# Altium PCB FPGA_Board.PcbDoc (part 3 of 3)
Units mil, origin at the board's own origin, x right, y up, seen from the top; angles counter-clockwise.
Board outline 13780 x 3880 mil, 8 copper layers (L0, L1, L2, 3,3V, GND, L3, L4, L5), stack 40.468 mil thick; 246 components, 198 nets, 1060 pads, 536 vias.
Unrouted connection lines stored in the file: 133.
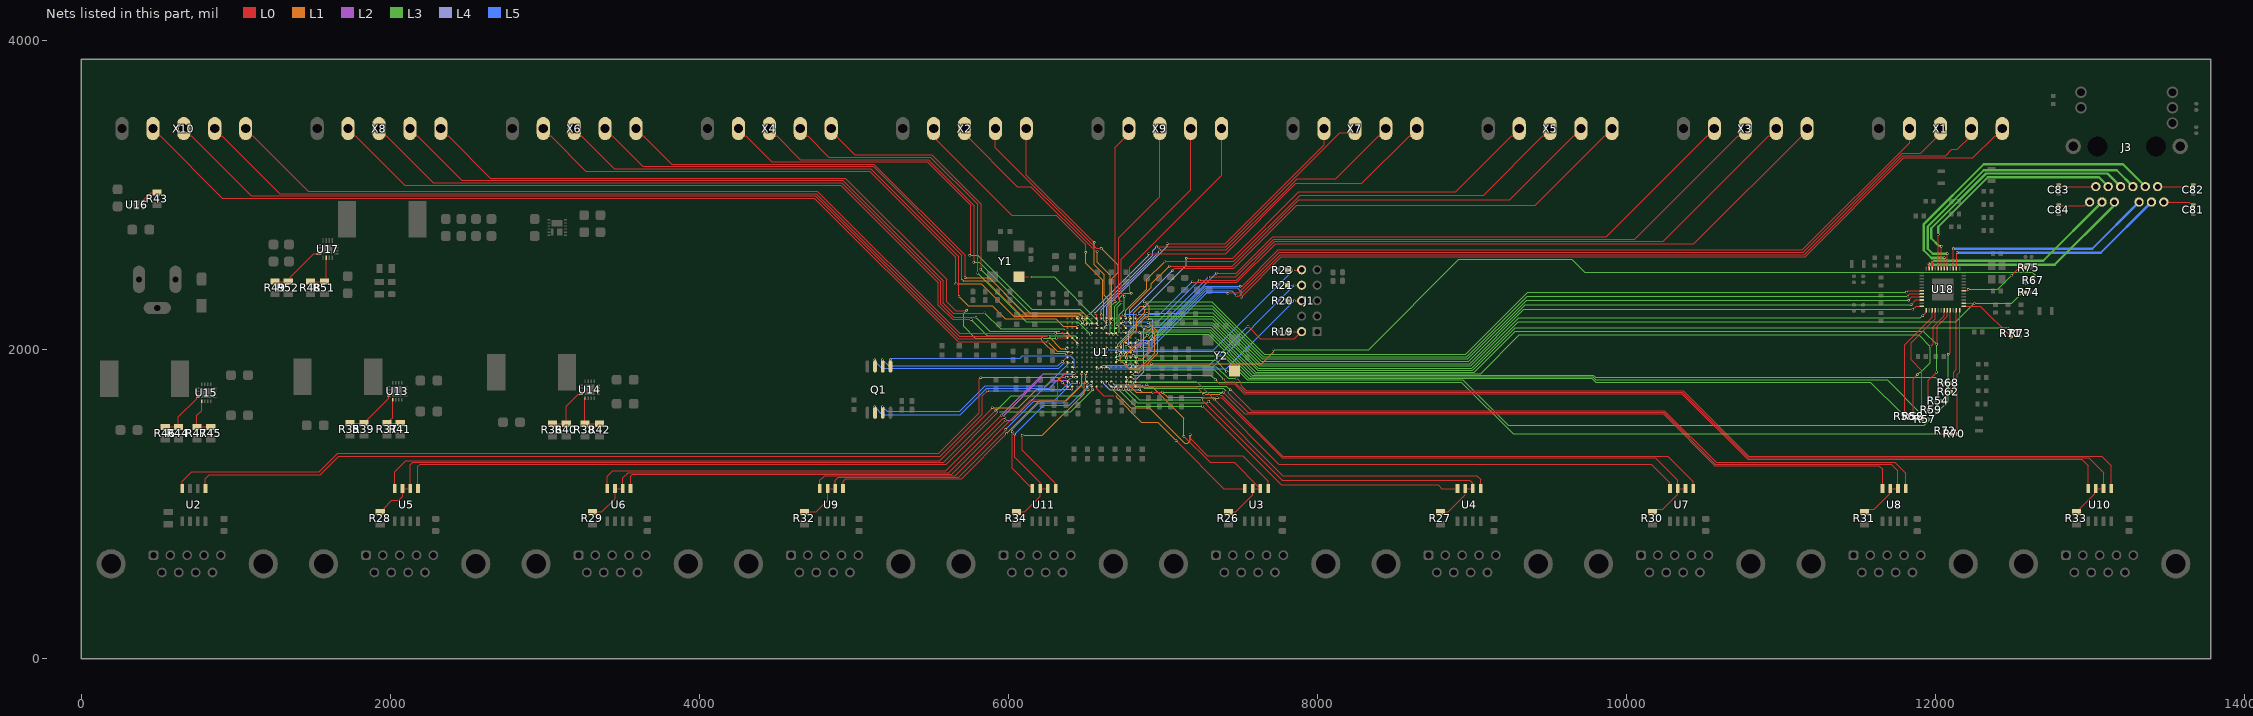
[diagram p9: the nets of this part, all layers, seen from the top]

## Via types
v1: diameter 15.75, hole 11.81, L0 to L5, 116 vias
v2: diameter 31.5, hole 19.68, L0 to GND, 96 vias
v3: diameter 15.75, hole 11.81, L0 to L3, 79 vias
v4: diameter 15.75, hole 11.81, L0 to L2, 64 vias
v5: diameter 15.75, hole 11.81, L0 to L1, 40 vias
v6: diameter 15.75, hole 11.81, L0 to GND, 36 vias
v7: diameter 31.5, hole 19.68, L0 to 3,3V, 29 vias
v8: diameter 15.75, hole 11.81, L0 to L4, 23 vias
v9: diameter 31.5, hole 19.68, L0 to L2, 19 vias
v10: diameter 19.68, hole 7.87, L0 to L5, 17 vias
v11: diameter 15.75, hole 11.81, L0 to 3,3V, 11 vias
v12: diameter 50, hole 28, L0 to L5, 3 vias
v13: diameter 50, hole 28, L0 to L2, 2 vias
v14: diameter 31.5, hole 19.68, L0 to L3, 1 vias

## Nets (pads, with @x,y where several pads share a name; then routed paths per layer and width w, separated by ;. In a path a pad name is that pad's centre, name@x,y a point inside that pad or via, vN(x,y) a via of type N, cw(c..) or ccw(c..) an arc to the next point about the centre after c; other vN are vias at no path point) (continued)
NetR26_2: R26.2 U1.P14 U3.2 U3.3 | length 1490.4
  L0 w5: U1.P14@6790.98,1792.52 6793.36,1792.52 6799.11,1786.77 6802.27,1786.77 v5(6804.32,1784.71) ; v1(7135,1440) 7305,1270 7461.3,1270 7613.62,1117.68 7620.69,1117.68 7630,1108.37 U3.2@7630,1101.3 U3.3@7580,1101.3 7580,1060 7549.31,1029.31 7470,950 R26.2@7423.33,950
  L1 w5: v5(6804.32,1784.71) 6833.66,1755.37 6934.63,1755.37 7135,1555 v1(7135,1440)
NetR27_2: R27.2 U1.R13 U4.2 U4.3 | length 2835.7
  L0 w5: U1.R13@6759.49,1761.02 6759.49,1760.51 v3(6775,1745) ; v1(7250,1675) 7770,1155 8985,1155 9003.62,1136.38 9003.62,1102.68 U4.2@9005,1101.3 U4.3@8955,1101.3 8955,1060 8845,950 R27.2@8795,950
  L3 w5: v3(6775,1745) 6845,1675 v1(7250,1675)
NetR28_2: R28.2 U1.R5 U5.2 U5.3 | length 5053.9
  L0 w5: R28.2@1936.67,950 1943.74,950 1961.24,967.5 1961.24,974.57 2011.67,1025 2055,1025 2080,1050 U5.3@2080,1101.3 U5.2@2130,1101.3 2130,1255 2145,1270 5580,1270 v1(5917.84,1607.84) ; U1.R5@6507.52,1761.02 6515,1753.54 v3(6515,1740)
  L3 w5: v1(5917.84,1607.84) 5919.9,1609.9 5926.84,1609.9 6016.94,1700 6465,1700 6504.13,1739.13 6514.13,1739.13 v3(6515,1740)
NetR29_2: R29.2 U1.N1 U6.2 U6.3 | length 3516.3
  L0 w5: R29.2@3308.33,950 3370,950 3455,1035 U6.3@3455,1101.3 U6.2@3505,1101.3 3505,1170 3540,1205 5615,1205 v1@5971.51,1561.51
  L2 w5: v1(5972.06,1560.13) 5972.06,1576.19 6216.85,1820.98 6252.8,1820.98 6253.78,1820 v1(6375,1820)
NetR30_2: R30.2 U1.P13 U7.2 U7.3 | length 4187
  L0 w5: U1.P13@6759.49,1792.52 6759.49,1791.52 6770,1781 v5(6770,1780) ; v5(6934.91,1725.33) v5(6994.91,1725.33) ; v1(7350,1690) 7380.86,1690 7770.86,1300 10185,1300 10330,1155 U7.3@10330,1101.3 ; R30.2@10166.67,950 10184.17,967.5 10232.5,967.5 10330,1065 U7.3@10330,1101.3 ; U7.2@10380,1101.3 U7.3@10330,1101.3
  L1 w5: v5(6770,1780) 6825.37,1724.63 6886.6,1724.63 6886.97,1725 v5@6935,1725 ; v5@6995,1725 7029.63,1690.37 7256.37,1690.37 7256.74,1690 v1(7350,1690)
NetR31_2: R31.2 U1.P10 U8.2 U8.3 | length 5735.6
  L0 w5: v1(7415,1725.75) 7415.99,1725.75 7546.74,1595 7565.86,1595 10239.14,1595 10574.14,1260 11710,1260 11755,1215 U8.2@11755,1101.3 U8.3@11705,1101.3 11701.22,1097.52 11701.22,1066.22 11602.5,967.5 11555.83,967.5 R31.2@11538.33,950
  L3 w5: v1(6861.06,1774.25) 6861.06,1772.48 6871.04,1762.49 6871.04,1758.96 6880,1750 7390.75,1750 v1(7415,1725.75)
  L4 w5: v8(6670,1785) 6672.91,1785 6683.66,1774.25 v1(6861.06,1774.25)
NetR32_2: R32.2 U1.P3 U9.2 U9.3 | length 2211.4
  L0 w5: R32.2@4680,950 4755,950 4830,1025 U9.3@4830,1101.3 U9.2@4880,1101.3 4880,1155 4900,1175 5678.75,1175 5980.21,1476.46 5980.21,1481.43 v1(5982.26,1483.49) ; U1.P3@6444.53,1792.52 6444.97,1792.52 6453.52,1783.96 v1(6453.96,1783.96)
  L5 w5: v1(5982.26,1483.49) 6163.77,1665 6291.74,1665 6410.7,1783.96 v1(6453.96,1783.96)
NetR33_2: R33.2 U1.L14 U10.2 U10.3 | length 6944.5
  L0 w5: v1(7390,1810) 7406.68,1793.32 7462.54,1793.32 7530.86,1725 10360.86,1725 10785.86,1300 12990,1300 13085,1205 U10.2@13085,1101.3 U10.3@13035,1101.3 13027.27,1093.57 13027.27,1067.27 12934.57,974.57 12934.57,967.5 12917.07,950 R33.2@12910,950
  L3 w5: v3(6787.07,1894.63) 6811.69,1870 7330,1870 v1(7390,1810)
NetR34_2: R34.2 U1.P6 U11.2 U11.3 | length 1348.1
  L0 w5: v1@6040,1455 6040,1305 6205,1140 U11.3@6205,1101.3 ; R34.2@6051.67,950 6105,950 6205,1050 U11.3@6205,1101.3 ; U11.2@6255,1101.3 U11.3@6205,1101.3
  L5 w5: v1(6040.55,1453.63) 6226.93,1640 6393.26,1640 6508.63,1755.37 6510.37,1755.37 6534.92,1779.92 v1(6534.92,1780.36)
NetR35_1: R35.1 R39.2 U13.4 | length 337.6
  L0 w5: R35.1@1740,1525 R39.2@1830,1525 1840,1525 1855,1540 1855,1550 1989.88,1684.88 U13.4@1989.88,1700.47
NetR36_1: R36.1 R40.2 U14.4 | length 331.1
  L0 w5: R36.1@3050,1520 R40.2@3140,1520 3140,1635 3215.47,1710.47 U14.4@3234.88,1710.47
NetR37_1: R37.1 R41.2 U13.5 | length 245.4
  L0 w5: R37.1@1980,1525 R37.1@1990,1525 ; U13.5@2015.47,1674.88 2015.47,1560.47 2005,1550 2005,1540 R37.1@1990,1525 ; R41.2@2065,1525 R37.1@1990,1525
NetR38_1: R38.1 R42.2 U14.5 | length 260.1
  L0 w5: U14.5@3260.47,1684.88 3260.47,1678.35 3260,1677.87 R38.1@3260,1520 R42.2@3355,1520
NetR43_1: R43.1 U16.3 | length 117.5
  L0 w5: U16.3@398.39,2962.24 401.34,2962.24 402.24,2963.15 402.24,2966.1 452.47,3016.33 491.29,3016.33 R43.1@491.61,3016.65
NetR44_1: R44.1 R46.2 U15.4 | length 331
  L0 w5: R46.2@545,1500 R44.1@630,1500 630,1565.59 748.07,1683.66 748.07,1690.2 748.35,1690.47 U15.4@754.88,1690.47
NetR45_1: R45.1 R47.2 U15.5 | length 267.5
  L0 w5: U15.5@780.47,1664.88 780.47,1605.47 750,1575 R47.2@750,1500 760,1500 R45.1@840,1500
NetR48_1: R48.1 R51.2 U17.6 | length 248.7
  L0 w5: R48.1@1485,2440 R51.2@1575,2440 1585.16,2450.16 U17.6@1585.16,2594.49
NetR49_1: R49.1 R52.2 U17.4 | length 368
  L0 w5: R49.1@1255,2440 R52.2@1340,2440 1354.14,2454.14 1354.14,2469.14 1505.47,2620.47 U17.4@1539.49,2620.47
NetR67_2: R67.2 U1.L15 | length 6203.3
  L0 w5: U1.L15@6822.48,1887.01 6842.01,1887.01 6864.86,1909.86 v4(6924.39,1909.86) ; R67.2@12630,2469.37 12654.37,2469.37 v3(12655,2470)
  L3 w5: v3(7715,2000) 8330,2000 8915,2585 9645,2585 9730,2500 12625,2500 v3(12655,2470)
  L1 w5: v4(6924.39,1909.86) 7639.86,1909.86 7715,1985 v3(7715,2000)
NetR75_1: R75.1 U18.42 | length 461.6
  L0 w5: U18.42@12180.43,2380.16 12200.16,2380.16 v3(12210,2390) ; v3(12490,2480) 12537.06,2527.06 12577.06,2527.06 R75.1@12580,2530
  L3 w5: v3(12210,2390) 12400,2390 v3(12490,2480)
NetU1_C7: U1.C7 Y1.3 | length 680.3
  L0 w5: Y1.3@6068.01,2471.5 6136.95,2471.5 6138.44,2470 v3(6140,2470) ; U1.C7@6570.51,2138.98 6570.51,2139.93 6579.63,2149.05 v3(6579.63,2150)
  L3 w5: v3(6140,2470) 6295,2470 6578.9,2186.1 6578.9,2150.73 v3(6579.63,2150)
NetU1_K13: U1.K13 U10.1 | length 6797.6
  L0 w5: v1(7475,1813.19) 7476.81,1813.19 7505.92,1784.08 7505.92,1766.2 7537.12,1735 10365,1735 10790,1310 13075,1310 13135,1250 U10.1@13135,1101.3
  L3 w5: v3(6770,1910) 6804.13,1910 6824.5,1889.63 7345.37,1889.63 7421.81,1813.19 v1(7475,1813.19)
NetU1_M1: U1.M1 U9.4 | length 2013.4
  L0 w5: U9.4@4780,1101.3 4780,1155 4810,1185 5655,1185 6145,1675 6317.07,1675 6320,1677.93 6320,1793.98 U1.M1@6381.54,1855.51
NetU1_M4: U1.M4 U9.1 | length 1924.5
  L0 w5: U9.1@4930,1101.3 4930,1147.5 4947.5,1165 5697.28,1165 v1(5986.74,1454.45)
  L1 w5: v1(5986.74,1454.45) 5986.74,1456.74 6200,1670 6375,1670 6475.71,1770.71 v5(6475.71,1843.78)
NetU1_M5: U1.M5 U11.1 | length 1078.7
  L0 w5: v1(6090,1445) 6090,1350 6303.62,1136.38 6303.62,1102.68 U11.1@6305,1101.3
  L1 w5: v1(6090,1445) 6220,1445 6491.06,1716.06 6491.06,1785.95 6500,1794.9 v5(6500,1845)
NetU1_M14: U1.M14 U10.4 | length 6580.2
  L0 w5: v1(7340,1805) 7365,1780 7461.72,1780 7471.72,1770 7526.72,1715 10356.72,1715 10781.72,1290 12945,1290 12985,1250 U10.4@12985,1101.3
  L3 w5: v3(6800,1845) 6810,1835 7310,1835 v1(7340,1805)
NetU1_N2: U1.N2 U6.1 | length 3193.8
  L0 w5: U6.1@3555,1101.3 3555,1180 3570,1195 5634.14,1195 v1@5982.07,1542.93
  L2 w5: v1(5982.63,1541.56) 6021.56,1541.56 6280.75,1800.75 6385.75,1800.75 v1(6405,1820)
NetU1_N3: U1.N3 U6.4 | length 3394.5
  L0 w5: U6.4@3405,1101.3 3405,1180 3440,1215 5595,1215 v1(5955,1575)
  L2 w5: v1(5955,1575) 6225,1845 6403.26,1845 6426.2,1822.06 6432.94,1822.06 v1(6435,1820)
NetU1_P1: U1.P1 U2.1 | length 5974.8
  L0 w5: U2.1@805,1101.3 805,1165 830,1190 1548.28,1190 1668.28,1310 5558.28,1310 5830,1581.72 5830,1700 v1(5865,1735)
  L5 w5: v1(5865,1735) 6340,1735 v1(6390,1785)
NetU1_P5: U1.P5 U11.4 | length 1063
  L0 w5: v1@6025,1470 6025,1231.3 6138.62,1117.68 6145.69,1117.68 6155,1108.37 U11.4@6155,1101.3 ; U1.P5@6507.52,1792.52 6508.8,1791.24 6508.8,1781.9 v1@6510.08,1780.62
  L5 w5: v1(6025.55,1468.63) 6025.55,1485.55 6195,1655 6355,1655 6482.23,1782.23 v1(6509.07,1782.23)
NetU1_P8: U1.P8 U8.4 | length 5400.7
  L0 w5: v1(7390,1725) 7530,1585 10235,1585 10570,1250 11630,1250 11655,1225 U8.4@11655,1101.3
  L3 w5: v1(6850,1740) 6864.63,1725.37 7389.63,1725.37 v1(7390,1725)
  L4 w5: v8(6610,1785) 6655,1740 v1(6850,1740)
NetU1_P9: U1.P9 U8.1 | length 5518.4
  L0 w5: v1(7435,1740) 7437.91,1740 7441.71,1736.2 7442.94,1736.2 7574.14,1605 10243.28,1605 10578.28,1270 11735,1270 11805,1200 U8.1@11805,1101.3
  L3 w5: v1(6895,1774.25) 6896.74,1774.25 6906.74,1764.25 7410.75,1764.25 v1(7435,1740)
  L4 w5: v8(6640.75,1785) 6640.75,1784.25 6666.12,1758.88 6879.63,1758.88 v1(6895,1774.25)
NetU1_P15: U1.P15 U7.4 | length 3769.6
  L0 w5: U1.P15@6822.48,1792.52 6850.4,1792.52 6853.63,1795.75 7214.25,1795.75 v1@7335,1675 ; v1(7335,1674.63) v1@7335,1675 ; U7.4@10280,1101.3 10280,1140 10160,1260 7750,1260 v1@7335,1675
NetU1_R1: U1.R1 U2.4 | length 6207.9
  L0 w5: U2.4@655,1101.3 655,1150 715,1210 1540,1210 1660,1330 5550,1330 5810,1590 5810,1810 v1@5820,1820 ; v4(6350,1785.37) 6372.77,1762.61 6379.95,1762.61 U1.R1@6381.54,1761.02
  L1 w5: v1(5820.55,1818.63) 5822.61,1820.68 5828.56,1820.68 5828.86,1820.98 6316.12,1820.98 6350,1787.09 v4(6350,1785.37)
NetU1_R2: U1.R2 U5.4 | length 4730.5
  L0 w5: U5.4@2030,1101.3 2030,1210 2100,1280 5555,1280 5892.94,1617.94 5892.94,1622.94 v1(5895,1625) ; v5(6410,1745) 6411.52,1746.52 6411.52,1759.51 U1.R2@6413.03,1761.02
  L1 w5: v1(5895,1625) 6064.36,1625 6184.36,1745 v5(6410,1745)
NetU1_R6: U1.R6 U5.1 | length 4737.2
  L0 w5: U5.1@2180,1101.3 2180,1245 2195,1260 5598.68,1260 v1(5935.28,1596.6) ; U1.R6@6539.02,1761.02 6539.02,1748.3 6545,1742.32 v3(6545,1740)
  L3 w5: v1(5935.28,1596.6) 6401.6,1596.6 v3(6545,1740)
NetU1_R7: U1.R7 U3.4 | length 1240.7
  L0 w5: U1.R7@6570.51,1761.02 6570.51,1747.4 6617.91,1700 v5(6690,1700) ; v1(7085,1410) 7393.7,1101.3 U3.4@7530,1101.3
  L1 w5: v5(6690,1700) 6860,1530 6965,1530 v1(7085,1410)
NetU1_R10: U1.R10 U3.1 | length 1409.2
  L0 w5: U1.R10@6665,1761.02 6665.36,1761.02 6674.32,1752.06 6677.94,1752.06 v5(6680,1750) ; v1(7175,1450) 7175,1425 7285,1315 7515,1315 7680,1150 U3.1@7680,1101.3
  L1 w5: v5(6680,1750) 6680,1735 6790,1625 6910,1625 7140,1395 7160,1395 7175,1410 v1(7175,1450)
NetU1_R11: U1.R11 U4.4 | length 2484.4
  L0 w5: U1.R11@6696.5,1761.02 6696.5,1758.65 6700.41,1754.73 6700.41,1754.59 v3(6710,1745) ; v1@7254.02,1635.98 7765,1125 8780,1125 8803.7,1101.3 U4.4@8905,1101.3
  L3 w5: v3(6710,1745) 6820.39,1634.61 v1(7254.57,1634.61)
NetU1_R12: U1.R12 U4.1 | length 2642.9
  L0 w5: U1.R12@6727.99,1761.02 6728.98,1761.02 v3(6745,1745) ; v1(7295,1665) 7775,1185 9030,1185 9055,1160 U4.1@9055,1101.3
  L3 w5: v3(6745,1745) 6835,1655 7285,1655 v1(7295,1665)
NetU1_R15: U1.R15 U7.1 | length 3906.6
  L0 w5: U1.R15@6822.48,1761.02 6852.54,1761.02 6854.69,1758.88 7216.12,1758.88 v5@7265,1710 ; v1(7375,1710) 7775,1310 10265,1310 10430,1145 U7.1@10430,1101.3
  L1 w5: v5(7264.91,1710.33) 7374.67,1710.33 v1(7375,1710)
PL_CLK: U1.K11 Y2.3 | length 802.9
  L0 w5: U1.K11@6696.5,1918.5 6696.5,1919.53 6703.35,1926.38 6703.35,1928.82 v3(6704.45,1929.92) ; v3(7410,1860) 7461.51,1860 Y2.3@7463.01,1861.5
  L3 w5: v3(6704.45,1929.92) 6704.54,1930 7340,1930 v3(7410,1860)
QSPI_CLK: Q1.6 U1.J1 | length 1235.9
  L0 w5: v1@6350,1925 6373.32,1948.32 6379.86,1948.32 U1.J1@6381.54,1950
  L5 w5: v1(5185,1935) 5225,1895 6320,1895 v1@6350,1925
  other v1: 6350,1924.63
QSPI_D0: Q1.5 U1.L2 | length 1282.7
  L0 w5: U1.L2@6415,1885 6415.33,1885.33 6417.09,1885.33 6423.99,1878.42 v1(6426.73,1878.42)
  L5 w5: v1(5235,1935) 5245,1945 6075,1945 6090,1960 6400,1960 6426.73,1933.27 v1(6426.73,1878.42)
QSPI_D1: Q1.2 U1.M2 | length 1435.4
  L0 w5: U1.M2@6415,1855 6415,1854.27 6424.27,1845 v1(6425,1845)
  L5 w5: v1(5135,1630) 5185,1580 5688.26,1580 5858.63,1750.37 5871.37,1750.37 5871.74,1750 6265,1750 6360,1845 v1(6425,1845)
QSPI_D2: Q1.3 U1.K2 | length 1365
  L5 w5: v1(5185,1630) 5215,1600 5685,1600 5850,1765 6245,1765 6397.57,1917.57 6402.57,1917.57 v1@6405,1920
  other v1: 6405,1919.63
QSPI_D3: Q1.7 U1.K1 | length 1278.9
  L5 w5: v1(5135,1935) 5135.87,1934.13 5135.87,1924.13 5180,1880 6327.12,1880 6361.83,1914.72 6367.94,1914.72 v1(6370,1916.77)
RGMII_INT: R74.1 U1.M15 U18.38 | length 6487.9
  L0 w5: U1.M15@6822.48,1855.51 6822.92,1855.07 6839.56,1855.07 v3(6840,1854.63) ; U18.38@12180.43,2301.42 12233.58,2301.42 12235,2300 v3(12250,2300) ; v3(12555,2365) 12557.89,2365 12562.89,2370 R74.1@12580,2370
  L3 w5: v3(6905,2175) 7322.72,2175 7617.72,1880 8997.28,1880 9297.28,2180 12130,2180 v3(12250,2300) 12490,2300 v3(12555,2365)
  L1 w6: v3(6840,1854.63) 6842.64,1854.63 6846.24,1858.23 6848.23,1858.23 6965,1975 6965,2115 v3(6905,2175)
RGMII_MDC: R70.1 R72.1 U1.N13 | length 5503.2
  L0 w5: U1.N13@6759.49,1824.02 6760.24,1824.02 6769.25,1815 v3(6770,1815) ; v3(12020,1455) R70.1@12100.32,1455
  L3 w5: v3(6770,1815) 6770,1798.68 6779.05,1789.63 8930.37,1789.63 9265,1455 v3(12020,1455)
RGMII_MDIO: R71.1 R73.1 U1.N14 | length 6311.1
  L0 w5: U1.N14@6790.98,1824.02 6791.71,1823.29 U1.N14@6791.71,1819.98 ; U1.N14@6791.73,1820 6792.71,1820 6800.04,1812.66 v8(6800.04,1810.37) ; v3(12465,2140) 12480.32,2124.69 R71.1@12485,2124.69 ; R71.1@12485.32,2124.69 R73.1@12545,2124.69
  L3 w5: v3(6890,2145) 6891.1,2146.1 6909.89,2146.1 6923.79,2160 7316.51,2160 7611.51,1865 9003.49,1865 9278.49,2140 v3(12465,2140)
  L4 w6: v8@6800.04,1810.08 6830.08,1810.08 6875.87,1855.87 6875.87,2130.87 v3(6890,2145)
RGMII_R_MDC: R70.2 U18.36 | length 805.2
  L0 w5: R70.2@12139.69,1455 12139.69,1839.69 12153.27,1853.27 U18.36@12153.27,2254.57
RGMII_R_MDIO: R71.2 U18.37 | length 385.9
  L0 w5: U18.37@12180.43,2281.73 12288.58,2281.73 R71.2@12485,2085.32
RGMII_R_RXCLK: R62.2 R68.2 U18.35 | length 541.9
  L0 w5: R62.2@12099.69,1726.67 R68.2@12099.69,1785 12115,1800.32 12115,1855 12133.58,1873.58 U18.35@12133.58,2254.57
RGMII_RXCLK: R68.1 U1.J15 | length 5511.9
  L0 w5: U1.J15@6822.48,1950 6823.5,1950 6825.39,1948.11 6826.27,1948.11 6834.38,1940 v5(6835,1940) ; v3(12035,1780) 12036.56,1780 12039.74,1783.18 12058.5,1783.18 R68.1@12060.32,1785
  L3 w5: v3(6909.84,2064.56) 6910.94,2065.66 6910.94,2076.14 6949.8,2115 7297.87,2115 7577.87,1835 9783.28,1835 9798.28,1820 11995,1820 v3(12035,1780)
  L1 w6: v5(6835,1940) 6870,1940 6910.87,1980.87 6910.87,2063.52 v3(6909.84,2064.56)
RGMII_RXD0: R59.1 U1.K15 U18.32 | length 6368.9
  L0 w5: U1.K15@6822.48,1918.5 6822.48,1917.52 v8(6835,1905) ; R59.1@11950.32,1610 11950.32,1800.32 v3(12005,1855) ; v3(12005,2035) 12010,2040 12010,2150 12074.53,2214.53 U18.32@12074.53,2254.57
  L3 w5: v8(6850.07,2109.68) 6850.39,2110 6895,2110 6930,2145 7310.29,2145 7600.29,1855 9014.71,1855 9279.71,2120 11920,2120 v3(12005,2035) v3(12005,1855)
  L4 w6: v8(6835,1905) 6835,2012.45 6860,2037.45 6860,2100 v8@6850,2110
RGMII_RXD1: R58.1 U1.J13 U18.31 | length 6296.1
  L0 w5: R58.1@11855,1589.69 11855,1812.87 v3(11880,1837.87) ; v3(11965,2020) 11983,2038 11983,2148 12054.84,2219.84 U18.31@12054.84,2254.57
  L3 w5: v3(6898.44,2092.37) 6899.99,2092.37 6902.87,2095.25 6905.25,2095.25 6940,2130 7304.08,2130 7589.08,1845 9055,1845 9305,2095 11890,2095 v3(11965,2020) 11965,1915 11903.65,1853.65 11896.58,1853.65 11880.8,1837.87 v3(11880,1837.87)
  L1 w6: v5(6765,1945) 6765,1969.73 6796.53,2001.25 6799.08,2001.25 6827.77,2029.95 6836.02,2029.95 v3(6898.44,2092.37)
RGMII_RXD2: R57.1 U1.J14 U18.28 | length 6230.2
  L0 w5: U1.J14@6790.98,1950 6792.01,1950 6803.59,1961.58 6806.22,1961.58 v4(6807.32,1962.68) ; R57.1@11910.32,1550 11910.32,1579.69 v3(11910,1580) 11910.32,1580.32 11910.32,1864.69 11840,1935 11840,2045 11995.79,2200.79 U18.28@11995.79,2254.57
  L2 w5: v4(6807.32,1962.68) 6882.68,1962.68 6930.22,2010.22 v3(6930.22,2070.14)
  L3 w5: v3(6930.22,2070.14) 6930.22,2070.22 6960,2100 7291.65,2100 7566.65,1825 9779.14,1825 9799.14,1805 11685,1805 v3(11910,1580)
RGMII_RXD3: R56.1 U1.H11 U18.27 | length 6010.2
  L0 w5: U1.H11@6696.5,1981.5 v3(6705,1990) ; v3(11775,1590) R56.1@11800,1590 11800,2032.34 11976.1,2208.45 U18.27@11976.1,2254.57
  L3 w5: v3(6705,1990) 6706.1,1988.9 7381.54,1988.9 7555.44,1815 9775,1815 9800,1790 11575,1790 v3(11775,1590)
RGMII_RXDV: R54.1 U1.J11 U18.33 | length 6269.6
  L0 w5: U1.J11@6696.5,1950 6696.5,1950.75 6705,1959.25 v3(6705,1960) ; R54.1@12034.69,1668.33 12056.92,1646.1 12058.9,1646.1 v3(12060,1645) ; v3(12080,1970) 12094.21,1984.21 U18.33@12094.21,2254.57
  L3 w5: v3(6705,1960) 7389.23,1960 7544.23,1805 8940,1805 9235,1510 11925,1510 v3(12060,1645) 12080,1665 v3(12080,1970)
RGMII_TXCLK: U1.G11 U18.24 | length 5577.8
  L0 w5: v3(11850,2260) 11871.73,2281.73 U18.24@11909.57,2281.73
  L3 w5: v3(6708.35,2015.18) 6708.35,2034.74 6891.05,2217.44 7322.71,2217.44 7630.15,1910 8984.85,1910 9334.85,2260 v3(11850,2260)
RGMII_TXD0: U1.H12 U18.19 | length 6118.4
  L0 w5: v4(6724.25,1970) 6725.35,1971.1 6725.35,1977.83 6727.99,1980.47 U1.H12@6727.99,1981.5 ; v3(11810,2370) 11810,2371.43 11818.73,2380.16 U18.19@11909.57,2380.16
  L3 w5: v3(6880,2310) 7315,2310 7655,1970 8960,1970 9360,2370 v3(11810,2370)
  L1 w6: v4(6724.25,1970) 6722.39,1968.13 6722.39,1961.87 6722.13,1961.61 6722.13,1935.42 6782.55,1875 6845,1875 6948.09,1978.09 6948.09,2077.55 6947.5,2078.14 6947.5,2107.5 6927.87,2127.13 6882.6,2127.13 6860,2149.72 6860,2182.01 6893.42,2215.44 6899.91,2215.44 6912.38,2227.91 6912.38,2279.76 6889.27,2302.87 6888.68,2302.87 6881.56,2310 v3(6880,2310)
RGMII_TXD1: U1.G12 U18.20 | length 5687.8
  L0 w5: v4(6726.75,2024.76) 6727.37,2024.14 6727.37,2013.61 U1.G12@6727.99,2012.99 ; v3(11820,2345) 11821.1,2346.1 11821.1,2351.1 11830.47,2360.47 U18.20@11909.57,2360.47
  L3 w5: v3(6881.86,2285) 7318.79,2285 7648.79,1955 8966.21,1955 9356.21,2345 v3(11820,2345)
  L1 w6: v4(6726.75,2024.76) 6726.75,2042.31 6810,2125.56 6810,2240 6852.18,2282.18 6877.48,2282.18 6880.31,2285 v3(6881.86,2285)
RGMII_TXD2: U1.H13 U18.21 | length 5698
  L0 w5: v4(6745,1970) 6755.77,1980.77 6758.77,1980.77 U1.H13@6759.49,1981.5 ; v3(11825,2320) 11845.79,2340.79 U18.21@11909.57,2340.79
  L3 w5: v3(6883.32,2264.3) 6884.01,2265 7317.57,2265 7642.57,1940 8972.43,1940 9352.43,2320 v3(11825,2320)
  L1 w6: v4(6745,1970) 6745,2045 6830,2130 6830,2190 6883.32,2243.32 v3(6883.32,2264.3)
RGMII_TXD3: U1.G14 U18.22 | length 5587
  L0 w5: v1(6780.1,2024.96) 6780.1,2024.41 6790.98,2013.53 U1.G14@6790.98,2012.99 ; v3(11840,2290) 11871.1,2321.1 U18.22@11909.57,2321.1
  L3 w5: v8(6896.51,2234.48) 7107.63,2234.48 7113.15,2240 7321.36,2240 7636.36,1925 8978.64,1925 9343.64,2290 v3(11840,2290)
  L4 w6: v1(6780.1,2024.96) 6780,2025.06 6780,2120 v8@6897.03,2237.03
RGMII_TXEN: U1.H14 U18.25 | length 5653.3
  L0 w5: U1.H14@6790.98,1981.5 6791.71,1982.22 6798.39,1982.22 6801.55,1985.38 v4(6803.1,1985.38) ; v3(11915,2220) 11936.73,2241.73 U18.25@11936.73,2254.57
  L2 w5: v4(6803.1,1985.38) 6862.72,2045 v8(6895,2045)
  L3 w5: v3(6900,2199.56) 6900.44,2200 7318.93,2200 7623.93,1895 8991.07,1895 9301.07,2205 11900,2205 v3(11915,2220)
  L4 w6: v8(6895,2045) 6896.87,2046.87 6901.87,2046.87 6935,2080 6935,2189.14 6924.14,2200 6900.44,2200 v3(6900,2199.56)
TCK: J1.10 R23.1 U1.G9 | length 1512.3
  L0 w5: R23.1@7805,2515 v1(7843.97,2515) 7895.51,2515 J1.10@7897.01,2516.5
  L5 w5: v1(6640,2005) 6645.37,1999.63 7328.6,1999.63 v1(7843.97,2515)
TCT0: C81.2 J3.12 | length 216.5
  L0 w5: J3.12@13475,2955 13640.59,2955 C81.2@13654.25,2941.34 ; C81.2@13654.25,2941.34 C81.2@13665,2930.59 13663.03,2930.59 13654.25,2939.37 C81.2@13654.25,2941.34
TCT1: C82.2 J3.6 | length 231.9
  L0 w5: J3.6@13435,3055 C82.2@13650.59,3055 ; C82.2@13654.25,3071.34 13654.25,3069.37 13663.03,3060.59 C82.2@13665,3060.59
TCT2: C83.2 J3.1 | length 242.3
  L0 w5: C83.2@12795,3060.59 12800.59,3055 J3.1@13035,3055
TCT3: C84.2 J3.7 | length 210.1
  L0 w5: C84.2@12795,2930.59 12964.14,2930.59 12988.55,2955 J3.7@12995,2955
TDI: J1.2 R19.1 U1.L7 | length 1588.5
  L0 w5: U1.L7@6570.51,1887.01 6572.19,1885.33 6572.19,1880.34 6574.63,1877.91 v1(6574.63,1875) ; v1(7550,2150) 7630,2070 7850.51,2070 J1.2@7895.51,2115 ; R19.1@7805,2115 J1.2@7895.51,2115 ; J1.2@7897.01,2116.5 J1.2@7895.51,2115
  L5 w5: v1(6574.63,1875) 6577.53,1875 6586.46,1883.92 6593.92,1883.92 6610.37,1900.37 6655.51,1900.37 6655.88,1900 7300,1900 v1@7546.63,2146.63
TDO: J1.8 R21.1 U1.L8 | length 1569.6
  L0 w5: U1.L8@6602.01,1887.01 6602.5,1887.01 6614.51,1875 v1(6615,1875) ; R21.1@7805,2415 v1(7850.26,2415) 7895.51,2415 J1.8@7897.01,2416.5
  L5 w5: v1(6615,1875) 6630.37,1890.37 6651.37,1890.37 6651.74,1890 7325,1890 v1@7850,2415
TMS: J1.6 R20.1 U1.L9 | length 1496.7
  L0 w5: U1.L9@6633.5,1887.01 6633.5,1886.75 6645,1875.26 v1(6645,1875) ; R20.1@7805,2315 v1(7850.26,2315) 7895.51,2315 J1.6@7897.01,2316.5
  L5 w5: v1(6645,1875) 7410,1875 v1@7850,2315
toIOB1_MISO: U1.F15 X1.4 | length 5636.2
  L0 w5: U1.F15@6822.48,2044.49 6824.16,2046.17 6824.16,2049.16 v1(6835.37,2060.37) ; v1(7500,2410) 7500.19,2410.19 7511.55,2410.19 7746.36,2645 7755,2645 11135,2645 11830,3340 X1.4@11830,3430
  L5 w5: v1(6835.37,2060.37) 6835.75,2060 6924.14,2060 7274.14,2410 v1(7500,2410)
toIOB1_MOSI: U1.G15 X1.3 | length 5814.6
  L0 w5: U1.G15@6825,2015 6825.33,2014.67 6829.47,2014.67 6829.8,2015 v1(6860,2015) ; v1(7420,2365) 7422.91,2365 7426.82,2368.91 7491.49,2368.91 7752.57,2630 11141.22,2630 11781.22,3270 11902.5,3270 12030,3397.5 X1.3@12030,3430
  L5 w5: v1(6860,2015) 6930,2015 7285,2370 7412.09,2370 7417.09,2365 v1(7420,2365)
toIOB1_NSS: U1.F14 X1.2 | length 6081.3
  L0 w5: U1.F14@6794.98,2044.98 6793.64,2043.64 6793.64,2041.41 6805,2030.05 v1(6805,2029.63) ; v1(7475,2350) 7477.91,2350 7482.91,2345 7488.79,2345 7758.79,2615 11147.43,2615 11787.43,3255 12062.87,3255 12102.87,3295 12140,3295 12230,3385 X1.2@12230,3430
  L5 w5: v1(6805,2029.63) 6805.75,2030.37 6925.37,2030.37 7275.37,2380.37 7444.63,2380.37 v1(7475,2350)
toIOB1_SCK: U1.F13 X1.1 | length 6327.4
  L0 w5: v1(7505.26,2339.74) 7505.26,2340.26 7765,2600 11153.64,2600 11793.64,3240 12240,3240 12383.15,3383.15 12395.35,3383.15 12430,3417.79 X1.1@12430,3430
  L5 w5: v1@6760,2031.05 6773.95,2045 6923.28,2045 7278.28,2400 7480,2400 7505.26,2374.74 v1(7505.26,2339.74)
  other v1: 6760.87,2032.75
toIOB2_MISO: U1.D13 X3.4 | length 4389
  L0 w5: v1(6746.88,2116.25) 6748.8,2116.25 6757.57,2107.48 U1.D13@6759.49,2107.48 ; v1(7345,2495) 7475,2495 7710,2730 9867.22,2730 10520.37,3383.15 10532.58,3383.15 10567.22,3417.79 X3.4@10567.22,3430
  L5 w5: v1(6746.88,2116.25) 6748.12,2115 6965,2115 v1(7345,2495)
toIOB2_MOSI: U1.C13 X3.3 | length 4580.6
  L0 w5: v1@6745,2150 6752.58,2142.42 6753.67,2142.42 6757.11,2138.98 U1.C13@6759.49,2138.98 ; v1(7295,2470) 7471.21,2470 7716.21,2715 10052.22,2715 10720.37,3383.15 10732.58,3383.15 10767.22,3417.79 X3.3@10767.22,3430
  L5 w5: v1(6741.63,2153.37) 6978.37,2153.37 v1(7295,2470)
toIOB2_NSS: U1.B12 X3.2 | length 4766.5
  L0 w5: U1.B12@6730,2170 6730,2170.1 6734.04,2174.14 6734.67,2174.14 6741.86,2181.33 v1(6742.98,2181.33) ; v1(7235,2450.37) 7235.37,2450 7472.43,2450 7722.43,2700 10237.22,2700 10920.37,3383.15 10932.58,3383.15 10967.22,3417.79 X3.2@10967.22,3430
  L5 w5: v1(6742.98,2181.33) 6966.33,2181.33 v1@7235,2450
toIOB2_SCK: U1.A12 X3.1 | length 4966
  L0 w5: U1.A12@6727.99,2201.97 6727.99,2212.99 v1(6745,2230) ; v1(7190,2440) 7192.91,2440 7197.91,2435 7478.64,2435 7728.64,2685 10435,2685 11167.22,3417.22 X3.1@11167.22,3430
  L5 w5: v1(6745,2230) 6980,2230 v1(7190,2440)
toIOB3_MISO: U1.A15 X5.4 | length 3035.3
  L0 w5: U1.A15@6822.48,2201.97 6822.48,2217.48 v8(6835,2230) ; v1(7150,2591.5) 7151.5,2590 7449.79,2590 7879.79,3020 8894.45,3020 9257.59,3383.15 9269.8,3383.15 9304.45,3417.79 X5.4@9304.45,3430
  L4 w5: v8(6835,2230) 7150,2545 v1(7150,2591.5)
toIOB3_MOSI: U1.A13 X5.3 | length 3323.4
  L0 w5: v1(7010,2570) 7010.36,2570.36 7457.93,2570.36 7887.57,3000 9074.44,3000 9457.59,3383.15 9469.8,3383.15 9504.44,3417.79 X5.3@9504.44,3430
  L1 w5: v5(6755,2210) 6755,2212.91 6760.37,2218.28 6760.37,2254.52 6895,2389.14 6895,2455 v1(7010,2570)
toIOB3_NSS: U1.A14 X5.2 | length 3475.9
  L0 w5: v1(7040,2540) 7448.79,2540 7878.79,2970 9244.44,2970 9657.59,3383.15 9669.8,3383.15 9704.44,3417.79 X5.2@9704.44,3430
  L1 w5: v5(6785,2210) 6785,2265 6925,2405 6925,2425 v1(7040,2540)
toIOB3_SCK: U1.B14 X5.1 | length 3676.6
  L0 w5: v1(7060,2510) 7076.68,2526.68 7456.68,2526.68 7865,2935 9409.44,2935 9857.59,3383.15 9869.8,3383.15 9904.44,3417.79 X5.1@9904.44,3430
  L4 w5: v8(6785,2180) 6785,2235 v1(7060,2510)
toIOB4_MISO: U1.C8 X7.4 | length 2101.9
  L0 w5: v1(7026.12,2686.14) 7401.14,2686.14 8041.67,3326.67 X7.4@8041.67,3430
  L4 w5: v8(6613.72,2139.29) 6635,2160.57 6635,2276.74 7026.12,2667.87 v1(7026.12,2686.14)
toIOB4_MOSI: U1.A7 X7.3 | length 2231.6
  L0 w5: v8(6560,2235) 6570.51,2224.49 U1.A7@6570.51,2201.97 ; v1(6960,2665) 7407.57,2665 8145.07,3402.5 8214.17,3402.5 X7.3@8241.67,3430
  L4 w5: v8(6560,2235) 6935,2610 6935,2640 v1(6960,2665)
toIOB4_NSS: U1.A8 X7.2 | length 2398.2
  L0 w5: v8(6600,2225) 6602.01,2222.99 U1.A8@6602.01,2201.97 ; v1(6975,2645) 7408.79,2645 7767.39,3003.6 7868.79,3105 8116.67,3105 8394.81,3383.15 8407.02,3383.15 8441.67,3417.79 X7.2@8441.67,3430
  L4 w5: v8(6600,2225) 6600,2257.09 6972.94,2630.04 6972.94,2642.94 v1(6975,2645)
toIOB4_SCK: U1.A5 X7.1 | length 2660.8
  L0 w5: U1.A5@6507.52,2201.97 6509.2,2203.65 6509.2,2209.2 v8(6520.87,2220.87) ; v1(6909.13,2620.87) 6910,2620 7405,2620 7860,3075 8286.67,3075 8594.81,3383.15 8607.02,3383.15 8641.67,3417.79 X7.1@8641.67,3430
  L4 w5: v8(6520.87,2220.87) 6909.13,2609.13 v1(6909.13,2620.87)
toIOB5_MISO: U1.D9 X9.4 | length 1407.7
  L0 w5: U1.D9@6633.5,2107.48 6633.5,2106.99 6645,2095.49 v3(6645,2095) ; v1(6690,2310) 6690,3308.61 6778.89,3397.5 X9.4@6778.89,3430
  L3 w5: v3(6645,2095) 6660,2110 6660,2280 v1(6690,2310)
toIOB5_MOSI: U1.C11 X9.3 | length 1424.3
  L0 w5: U1.C11@6696.5,2138.98 6696.5,2141.35 6702.89,2147.75 v3(6702.89,2150.19) ; v1(6734.63,2305) 6734.63,2305.37 6715,2325 6715,2725 6978.89,2988.89 X9.3@6978.89,3430
  L3 w5: v3(6702.89,2150.19) 6702.89,2272.89 6734.63,2304.63 v1(6734.63,2305)
toIOB5_NSS: U1.D11 X9.2 | length 1555.9
  L0 w5: U1.D11@6696.5,2107.48 6698.55,2107.48 6705.84,2100.19 v3(6707.89,2100.19) ; v1(6750,2345) 6730,2365 6730,2585 7178.89,3033.89 X9.2@7178.89,3430
  L3 w5: v3(6707.89,2100.19) 6707.89,2101.18 6718.26,2111.55 6718.26,2225.01 6750,2256.74 v1(6750,2345)
toIOB5_SCK: U1.D10 X9.1 | length 1674.1
  L0 w5: U1.D10@6665,2107.48 6667.38,2107.48 6675.6,2099.25 v3(6678.5,2099.25) ; v1(6795,2365) 6784.23,2375.77 6784.23,2534.23 7378.89,3128.89 X9.1@7378.89,3430
  L3 w5: v3(6678.5,2099.25) v3(6678.5,2099.25) 6687.52,2108.34 6687.52,2279.63 6720,2312.12 6720,2336.74 6748.26,2365 v1(6795,2365)
toIOB6_MISO: U1.B9 X2.4 | length 1900.1
  L0 w5: X2.4@5516.11,3430 5516.11,3377.21 5534.96,3358.35 5534.96,3355.04 6020,2870 6310,2870 6500,2680 v1(6500,2630)
  L1 w5: v1(6500,2630) 6500,2560 6610,2450 6610,2322.5 6615.37,2317.13 6615.37,2189.63 6639.5,2165.5 v5(6639.88,2165.5)
toIOB6_MOSI: U1.B10 X2.3 | length 1716.6
  L0 w5: X2.3@5716.11,3430 5716.11,3397.5 6058.31,3055.3 6145.92,3055.3 6564.74,2636.48 6573.52,2636.48 v1(6575,2635)
  L1 w5: v1(6575,2635) 6575,2565 6660,2480 6660,2175 v5(6670,2165)
toIOB6_NSS: U1.A10 X2.2 | length 1601.7
  L0 w5: X2.2@5916.11,3430 5916.11,3306.32 6567.43,2655 v1(6600,2655)
  L1 w5: v1(6600,2655) 6710,2545 6710,2500 6670,2460 6670,2212.87 6673.32,2209.56 6673.32,2197.06 v5(6675.37,2195)
toIOB6_SCK: U1.A9 X2.1 | length 1468.8
  L0 w5: X2.1@6116.11,3430 6116.11,3128.89 v1@6547.94,2697.06 ; U1.A9@6633.5,2201.97 6633.5,2219.34
  L1 w5: v1(6555,2695) 6555,2550 6620,2485 6620,2351.08 6645,2326.08 6645,2203.3 6639.25,2197.55 v5(6639.25,2195)
toIOB7_MISO: U1.B7 X4.4 | length 3053.2
  L0 w5: X4.4@4253.33,3430 4253.33,3417.79 4287.98,3383.15 4300.18,3383.15 4468.33,3215 5475,3215 5756.22,2933.78 5756.22,2618.3 5750,2612.08 v1(5750,2610) ; v3(6560,2160) U1.B7@6570.51,2170.47
  L3 w5: v1(5750,2610) 5800,2610 6150,2260 6460,2260 v3(6560,2160)
toIOB7_MOSI: U1.B6 X4.3 | length 2831.5
  L0 w5: X4.3@4453.33,3430 4453.33,3417.79 4487.98,3383.15 4500.18,3383.15 4653.33,3230 5481.21,3230 5780,2931.21 5780,2572.91 5775,2567.91 v1(5775,2565)
  L3 w5: v1(5775,2565) 5810,2565 6140,2235 6455,2235 v3(6530,2160)
toIOB7_NSS: U1.D6 X4.2 | length 2695.2
  L0 w5: X4.2@4653.33,3430 4653.33,3417.79 4687.98,3383.15 4700.18,3383.15 4838.33,3245 5495,3245 5800,2940 v1(5800,2495)
  L3 w5: v1(5800,2495) 6115,2180 6450,2180 6529.63,2100.37 v3(6530,2100.37)
toIOB7_SCK: U1.B5 X4.1 | length 2436.6
  L0 w5: X4.1@4853.33,3430 4853.33,3411.67 5005,3260 5505,3260 5825,2940 5825,2527.91 5820,2522.91 v1(5820,2520)
  L3 w5: v1(5820,2520) 6120,2220 6430,2220 6489.13,2160.87 6499.13,2160.87 v3(6500,2160)
toIOB8_MISO: U1.A3 X6.4 | length 4078.7
  L0 w5: X6.4@2990.56,3430 2990.56,3417.79 3025.2,3383.15 3037.41,3383.15 3265.56,3155 5103.79,3155 5660,2598.79 v1(5660,2425)
  L1 w5: v1(5660,2425) 5825,2425 6035,2215 6445,2215 6452.07,2207.93 v5(6452.07,2205.93)
toIOB8_MOSI: U1.C3 X6.3 | length 3946.2
  L0 w5: X6.3@3190.55,3430 3190.55,3417.79 3225.2,3383.15 3237.4,3383.15 3450.55,3170 5110,3170 5680,2600 v1(5680,2345)
  L1 w5: v1(5680,2345) 5740,2285 5895,2285 5980,2200 6305,2200 6355,2150 v5(6450,2150)
toIOB8_NSS: U1.A4 X6.2 | length 3702.9
  L0 w5: X6.2@3390.55,3430 3390.55,3417.79 3425.2,3383.15 3437.4,3383.15 3635.55,3185 5123.79,3185 5696.88,2611.91 5696.88,2453.3 5697.94,2452.23 5697.94,2447.06 v1(5700,2445)
  L1 w5: v1(5700,2445) 5855,2445 6075,2225 6470,2225 v5(6485,2210)
toIOB8_SCK: U1.B4 X6.1 | length 3557.8
  L0 w5: X6.1@3590.55,3430 3590.55,3417.79 3625.2,3383.15 3637.4,3383.15 3820.55,3200 5130,3200 5720,2610 v1(5720,2465)
  L1 w5: v1(5720,2465) 5875,2465 6100,2240 6485,2240 6504.63,2220.37 6504.63,2204.63 v5(6480,2180)
toIOB9_MISO: U1.E3 X8.4 | length 5381.7
  L0 w5: X8.4@1727.78,3430 1727.78,3417.79 1762.42,3383.15 1774.63,3383.15 2092.78,3065 4915,3065 5546.97,2433.03 5546.97,2288.03 5640,2195 5757.9,2195 v1(5758.27,2194.63)
  L3 w5: v1(5758.27,2194.63) 5862.52,2090.37 6431.78,2090.37 v3(6453.49,2068.66)
toIOB9_MOSI: U1.E2 X8.3 | length 5141.3
  L0 w5: X8.3@1927.78,3430 1927.78,3417.79 1962.42,3383.15 1974.63,3383.15 2277.78,3080 4921.21,3080 5561.97,2439.25 5561.97,2294.25 5646.21,2210 v1(5790,2210) ; v3(6340,2120.37) 6340,2118.54 6349.95,2108.58 6349.95,2105.05 6364.63,2090.37 6398.64,2090.37 U1.E2@6413.03,2075.98
  L3 w5: v1(5790,2210) 5879.63,2120.37 v3(6340,2120.37)
toIOB9_NSS: U1.D1 X8.2 | length 4901.2
  L0 w5: X8.2@2127.78,3430 2127.78,3417.79 2162.42,3383.15 2174.63,3383.15 2462.78,3095 4927.43,3095 5576.97,2445.46 5576.97,2300.46 5642.43,2235 5837.09,2235 5842.09,2240 v1(5845,2240) ; v3(6372.82,2120.37) 6372.82,2118.28 6381.54,2109.57 U1.D1@6381.54,2107.48
  L3 w5: v1(5845,2240) 5950.37,2134.63 6147.81,2134.63 6148.93,2135.75 6357.45,2135.75 v3(6372.82,2120.37)
toIOB9_SCK: U1.E1 X8.1 | length 4801.4
  L0 w5: X8.1@2327.78,3430 2327.78,3417.79 2362.42,3383.15 2374.63,3383.15 2647.78,3110 4945,3110 5600,2455 5600,2310 5659.63,2250.37 5722.47,2250.37 5727.09,2255 v1(5730,2255) ; v3(6310,2074.63) 6311.36,2075.98 U1.E1@6381.54,2075.98
  L3 w5: v1(5730,2255) 5710,2235 5710,2150 5785,2075 6309.63,2075 v3(6310,2074.63)
toIOB10_MISO: U1.H2 X10.4 | length 6549.8
  L0 w5: X10.4@465,3430 465,3417.79 499.65,3383.15 511.85,3383.15 915,2980 4745,2980 5675,2050 v5(6255,2050)
  L1 w5: v5(6255,2050) 6315,1990 6390,1990 v5(6405,1975)
toIOB10_MOSI: U1.H1 X10.3 | length 6328.6
  L0 w5: X10.3@665,3430 665,3417.79 699.64,3383.15 711.85,3383.15 1100,2995 4751.21,2995 5676.21,2070 6219.63,2070 v5(6220,2069.63)
  L1 w5: v5(6220,2069.63) 6220,2055 6300,1975 6374.63,1975 v5(6375,1974.63)
toIOB10_NSS: U1.G1 X10.2 | length 6107.3
  L0 w5: X10.2@865,3430 865,3417.79 899.64,3383.15 911.85,3383.15 1285,3010 4757.43,3010 5682.43,2085 v5(6260,2085)
  L1 w5: v5(6260,2085) 6339.63,2005.37 v5(6375,2005.37)
toIOB10_SCK: U1.F3 X10.1 | length 5973.6
  L0 w5: X10.1@1065,3430 1065,3417.79 1099.64,3383.15 1111.85,3383.15 1470,3025 4763.64,3025 5683.64,2105 6304.63,2105 v5(6305,2105.37)
  L1 w5: v5(6305,2105.37) 6305.37,2105 6385,2105 6439.88,2050.12 6439.88,2046.58 6449.39,2037.07 v5(6449.39,2034.34)
TRD0_N: J3.10 U18.3 | length 1451.4
  L0 w5: U18.3@12113.9,2525.43 v1@12113.9,2648.9
  L5 w15: v1(12112.59,2651.96) 13011.96,2651.96 J3.10@13315,2955
TRD0_P: J3.11 U18.2 | length 1491.9
  L0 w5: U18.2@12134.47,2526.43 v1@12134.47,2625
  L5 w15: v1(12137.59,2626.96) 13066.96,2626.96 J3.11@13395,2955
TRD1_N: J3.5 U18.6 | length 2046.6
  L0 w5: U18.6@12054.84,2525.43 v3@12054.77,2594.86
  L0 w15: v3(12054.63,2595) v3@12054.77,2594.86
  L3 w15: v3(12054.63,2595) 11970,2595 11922.07,2642.93 11922.07,2807.93 11920,2810 12310,3200 13210,3200 J3.5@13355,3055
TRD1_P: J3.4 U18.5 | length 1901.9
  L0 w5: U18.5@12075.14,2525.43 v3@12075.14,2619.86
  L0 w15: v3(12075,2620) v3@12075.14,2619.86
  L3 w15: v3(12075,2620) 11980.36,2620 11947.07,2653.28 11947.07,2797.07 12310,3160 13170,3160 J3.4@13275,3055
TRD2_N: J3.2 U18.8 | length 1527.1
  L0 w5: v3(12015,2745) 12015,2590.33 12014.78,2590.11 12014.78,2526.12 U18.8@12015.47,2525.43
  L3 w15: v3(12015,2745) 12015,2794.64 12335.36,3115 13055,3115 J3.2@13115,3055
TRD2_P: J3.3 U18.7 | length 1702.3
  L0 w5: U18.7@12035.81,2526.08 v3(12035.81,2669.25)
  L3 w15: v3(12035.81,2669.25) 12035.6,2669.25 12034.86,2670 12020,2670 11970,2720 11970,2785 12325,3140 13110,3140 J3.3@13195,3055
TRD3_N: J3.9 U18.11 | length 1425.8
  L0 w5: v3(11950,2560) 11950,2558.44 11955,2553.44 11955,2526.85 U18.11@11956.42,2525.43
  L3 w15: v3(11950,2560) 11950.14,2559.86 11954.79,2559.86 11964.64,2550 12770,2550 13146.39,2926.39 13146.39,2946.39 J3.9@13155,2955
TRD3_P: J3.8 U18.10 | length 1307.8
  L0 w15: v3(11975.37,2574.63) 11975.37,2574.42 11977.5,2572.3 11977.5,2526.83 U18.10@11976.1,2525.43
  L3 w15: v3(11975.37,2574.63) 12694.63,2574.63 J3.8@13075,2955
pads on no net: J1.3 J1.4 J1.5 J3. P1.2 P1.3 P1.4 P1.7 P1.8 P1.9 P2.2 P2.3 P2.4 P2.7 P2.8 P2.9 P3.2 P3.3 P3.4 P3.7 P3.8 P3.9 P4.2 P4.3 P4.4 P4.7 P4.8 P4.9 P5.2 P5.3 P5.4 P5.7 P5.8 P5.9 P6.2 P6.3 P6.4 P6.7 P6.8 P6.9 P7.2 P7.3 P7.4 P7.7 P7.8 P7.9 P8.2 P8.3 P8.4 P8.7 P8.8 P8.9 P9.2 P9.3 P9.4 P9.7 P9.8 P9.9 P10.2 P10.3 P10.4 P10.7 P10.8 P10.9 U1.A2 U1.B1 U1.B15 U1.C1 U1.C4 U1.C6 U1.C12 U1.C14 U1.D3 U1.D4 U1.D8 U1.D14 U1.D15 U1.E11 U1.E12 U1.E13 U1.E15 U1.F12 U1.K3 U1.K12 U1.L3 U1.L12 U1.L13 U1.M6 U1.M9 U1.M10 U1.M11 U1.M12 U1.N4 U1.N6 U1.N7 U1.N8 U1.N9 U1.N11 U1.N12 U1.P4 U1.P11 U1.R8 U16.2 U18.43
copper on no net: | length 20.4
  L0 w5: 6476.02,1792.52 6476.02,1793.95
  L5 w5: 632.17,558.19 636.81,558.19 ; 10191.18,680.14 10201.32,670
  other v9: 2500,1640
  other v14: 1085.43,1308.34

## Polygon pours and split planes (outlines as drawn)
GND on L5 "GND_L08_P002" (solid, remove dead copper, pour order 2): 0,0 0,3880 13780,3880 13780,0
GND on L0 "GND_L01_P000" (solid, remove dead copper, pour order 0): 0,0 0,3880 13780,3880 13780,0
3.3V on 3,3V (split plane): 13759.9,20.1 20.1,20.1 20.1,3859.9 13759.9,3859.9
GND on GND (split plane): 13759.9,20.1 20.1,20.1 20.1,3859.9 13759.9,3859.9

## Silkscreen, mask and mechanical layers (free items; w line width, h text height)
Top Overlay:
  drawing of 47 lines, arcs and shapes, not listed
  text "Danial Fath pour 9923059" at 8925,1473.33 h100
  text "Erfan Ghasri 9923061" at 9120,1335 h100
Mechanical 1:
  lines w5: 0,0 0,3880 13780,3880 13780,0 13779.53,0 0,0

## Text inside footprints (layer, text, board x,y; h text height)
J1: Top Overlay "10" at 7879.86,2625.71 h17.72 r270; Top Overlay "9" at 7982.01,2616.5 h17.72 r270; Top Overlay "1" at 7992.01,2036.5 h17.72 r270; Top Overlay "2" at 7892.01,2041.5 h17.72 r270
P1: Top Courtyard "PCB Edge" at 552.84,176.3 h40
P2: Top Courtyard "PCB Edge" at 7426.89,176.3 h40
P3: Top Courtyard "PCB Edge" at 1927.65,176.3 h40
P4: Top Courtyard "PCB Edge" at 8801.71,176.3 h40
P5: Top Courtyard "PCB Edge" at 3302.46,176.3 h40
P6: Top Courtyard "PCB Edge" at 10176.52,176.3 h40
P7: Top Courtyard "PCB Edge" at 4677.27,176.3 h40
P8: Top Courtyard "PCB Edge" at 11551.33,176.3 h40
P9: Top Courtyard "PCB Edge" at 12926.14,176.3 h40
P10: Top Courtyard "PCB Edge" at 6052.08,176.3 h40
X1: Top Overlay "1" at 12440,3619.37 h50 r180; Top Overlay "2" at 12250,3619.37 h50 r180; Top Overlay "3" at 12050,3619.37 h50 r180; Top Overlay "4" at 11850,3619.37 h50 r180; Top Overlay "5" at 11650,3619.37 h50 r180
X2: Top Overlay "1" at 6126.11,3619.37 h50 r180; Top Overlay "2" at 5936.11,3619.37 h50 r180; Top Overlay "3" at 5736.11,3619.37 h50 r180; Top Overlay "4" at 5536.11,3619.37 h50 r180; Top Overlay "5" at 5336.11,3619.37 h50 r180
X3: Top Overlay "1" at 11177.22,3619.37 h50 r180; Top Overlay "2" at 10987.22,3619.37 h50 r180; Top Overlay "3" at 10787.22,3619.37 h50 r180; Top Overlay "4" at 10587.22,3619.37 h50 r180; Top Overlay "5" at 10387.22,3619.37 h50 r180
X4: Top Overlay "1" at 4863.33,3619.37 h50 r180; Top Overlay "2" at 4673.33,3619.37 h50 r180; Top Overlay "3" at 4473.33,3619.37 h50 r180; Top Overlay "4" at 4273.33,3619.37 h50 r180; Top Overlay "5" at 4073.33,3619.37 h50 r180
X5: Top Overlay "1" at 9914.44,3619.37 h50 r180; Top Overlay "2" at 9724.44,3619.37 h50 r180; Top Overlay "3" at 9524.44,3619.37 h50 r180; Top Overlay "4" at 9324.44,3619.37 h50 r180; Top Overlay "5" at 9124.45,3619.37 h50 r180
X6: Top Overlay "1" at 3600.55,3619.37 h50 r180; Top Overlay "2" at 3410.55,3619.37 h50 r180; Top Overlay "3" at 3210.55,3619.37 h50 r180; Top Overlay "4" at 3010.55,3619.37 h50 r180; Top Overlay "5" at 2810.56,3619.37 h50 r180
X7: Top Overlay "1" at 8651.67,3619.37 h50 r180; Top Overlay "2" at 8461.67,3619.37 h50 r180; Top Overlay "3" at 8261.67,3619.37 h50 r180; Top Overlay "4" at 8061.67,3619.37 h50 r180; Top Overlay "5" at 7861.67,3619.37 h50 r180
X8: Top Overlay "1" at 2337.78,3619.37 h50 r180; Top Overlay "2" at 2147.78,3619.37 h50 r180; Top Overlay "3" at 1947.78,3619.37 h50 r180; Top Overlay "4" at 1747.78,3619.37 h50 r180; Top Overlay "5" at 1547.78,3619.37 h50 r180
X9: Top Overlay "1" at 7388.89,3619.37 h50 r180; Top Overlay "2" at 7198.89,3619.37 h50 r180; Top Overlay "3" at 6998.89,3619.37 h50 r180; Top Overlay "4" at 6798.89,3619.37 h50 r180; Top Overlay "5" at 6598.89,3619.37 h50 r180
X10: Top Overlay "1" at 1075,3619.37 h50 r180; Top Overlay "2" at 885,3619.37 h50 r180; Top Overlay "3" at 685,3619.37 h50 r180; Top Overlay "4" at 485,3619.37 h50 r180; Top Overlay "5" at 285,3619.37 h50 r180